# Altium PCB MINI-STM32.PcbDoc (continued)
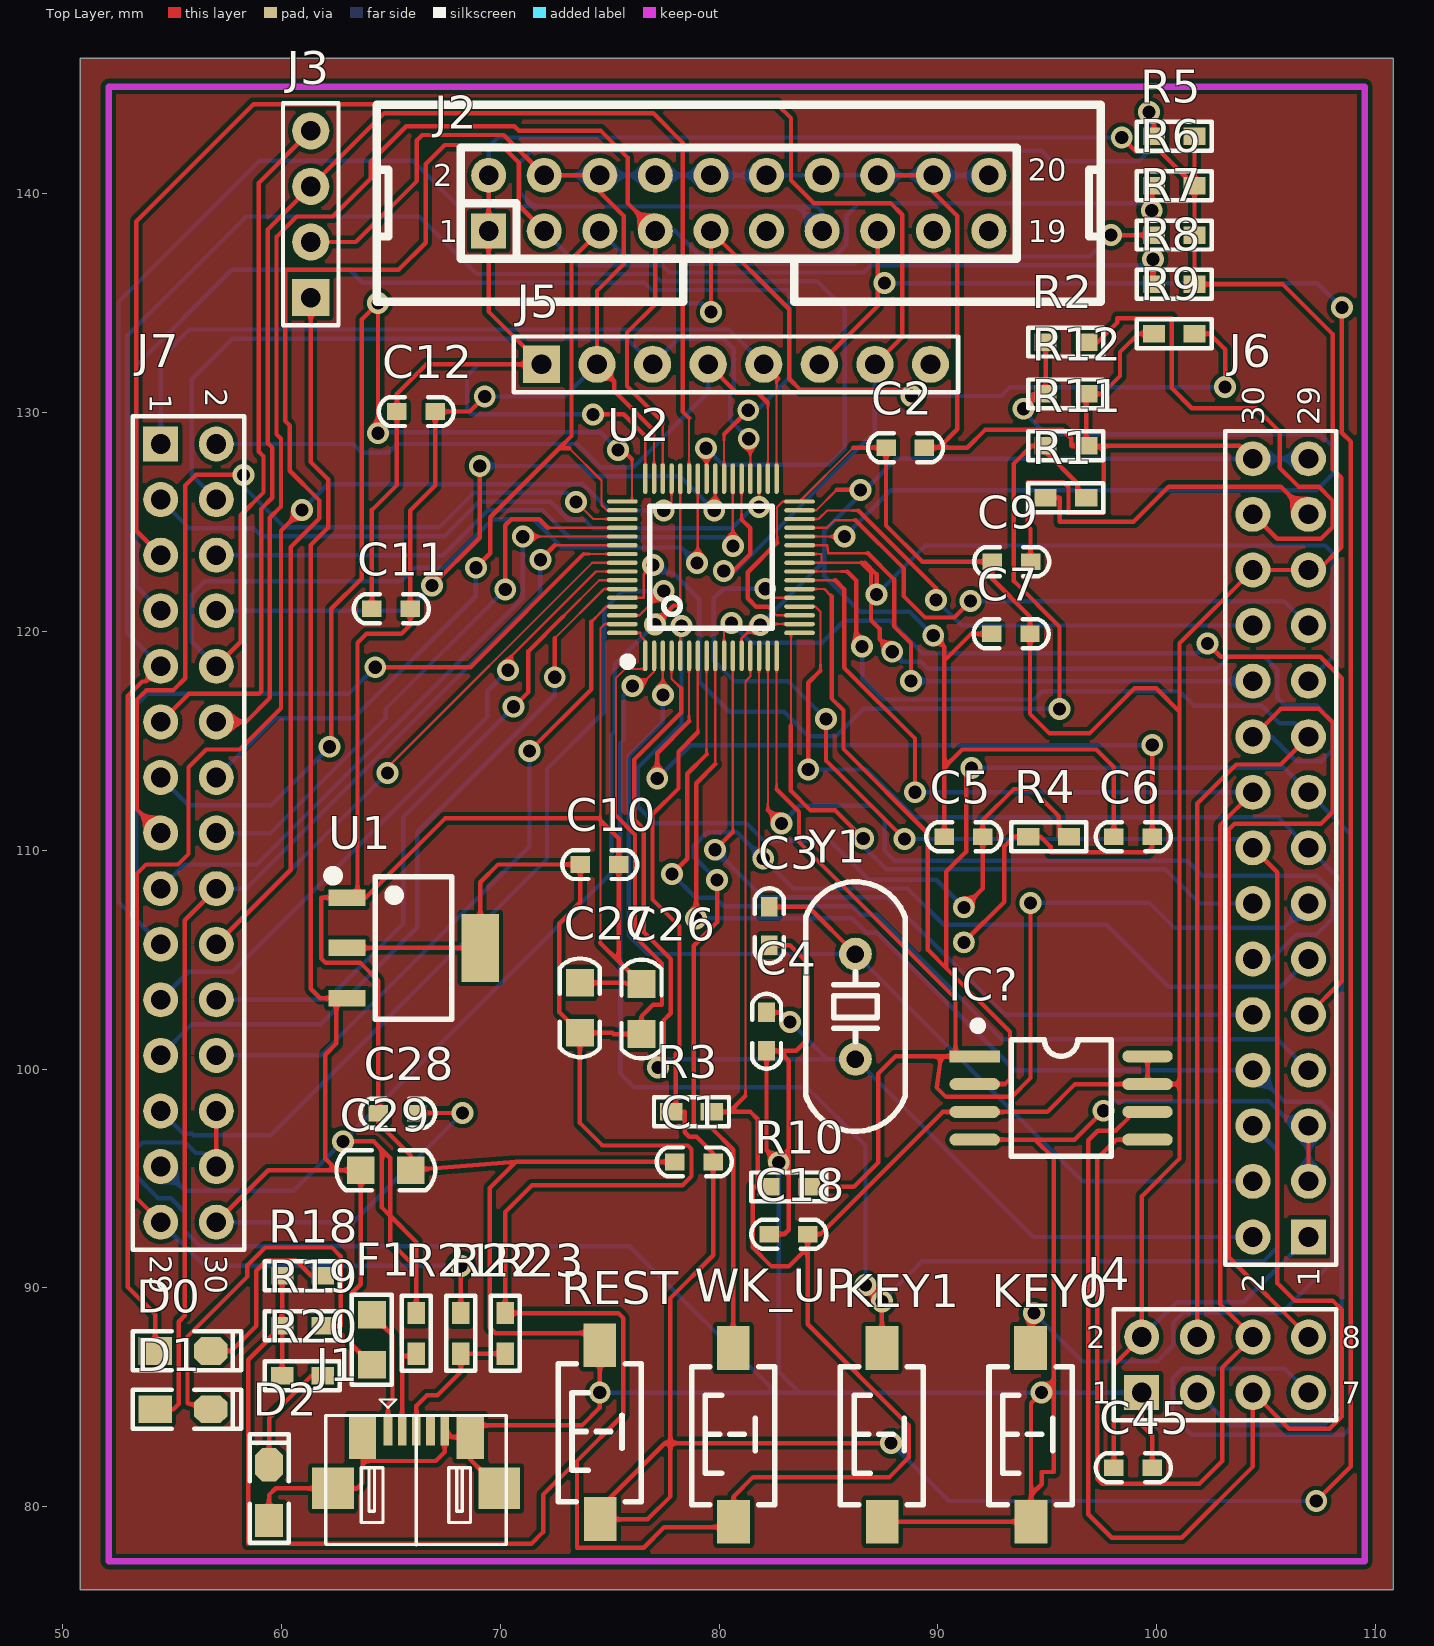
[diagram p0: Top Layer view]
## Part data (continued)

## Via types
v1: diameter 1, hole 0.6, Top Layer to Bottom Layer, 90 vias

## Nets (pads, with @x,y where several pads share a name; then routed paths per layer and width w, separated by ;. In a path a pad name is that pad's centre, name@x,y a point inside that pad or via, vN(x,y) a via of type N, cw(c..) or ccw(c..) an arc to the next point about the centre after c; other vN are vias at no path point)
A0: J5.7 J7.5 U2.37 | length 81.8
  Top Layer w0.1: 81.029,125.117 U2.37
  Top Layer w0.2: J7.5 53.365,124.603 53.365,138.735 58.725,144.094 82.652,144.094 83.287,143.459 83.287,140.614 84.328,139.573 87.833,139.573 88.367,139.04 88.367,133.452 J5.7 ; v1(80.213,122.758) 80.645,122.758 81.432,123.546 81.432,124.714 81.029,125.117
  Bottom Layer w0.2: v1(80.213,122.758) 80.747,122.758 87.122,129.134 J5.7
BOOT0: R1.2 R11.1 U2.60 | length 44.5
  Top Layer w0.1: U2.60 76.556,121.536 76.556,122.606 v1(76.987,123.038)
  Top Layer w0.2: v1(95.555,116.459) 95.555,120.218 93.472,122.301 93.472,127.669 94.285,128.482 R11.1 94.92,128.219 96.386,126.753 96.386,126.111 R1.2
  Bottom Layer w0.2: v1(76.987,123.038) 76.987,122.872 77.927,122.644 79.096,121.475 79.096,117.704 80.467,116.332 82.969,116.332 84.099,115.202 85.331,115.202 86.589,116.459 v1(95.555,116.459)
BOOT1: R2.1 R12.1 U2.28 | length 45.5
  Top Layer w0.1: U2.28 85.039,124.336 85.042,124.333 v1(85.725,124.333)
  Top Layer w0.2: v1(93.904,130.175) 94.361,130.632 94.361,130.852 R12.1 R2.1
  Bottom Layer w0.2: v1(85.725,124.333) 87.841,126.449 107.297,126.449 108.052,127.203 108.052,128.422 107.467,129.007 94.945,129.007 93.904,130.048 v1(93.904,130.175)
CS: J5.5 J7.1 U2.33 | length 38.2
  Top Layer w0.1: U2.33 82.629,131.47
  Top Layer w0.2: J5.5 82.704,131.545 82.629,131.47
  Bottom Layer w0.2: J7.1 54.483,132.486 55.791,133.795 80.454,133.795 J5.5
F_CS: IC?.1 J6.13 R10.2 U2.16 | length 62
  Top Layer w0.1: 82.629,112.786 U2.16
  Top Layer w0.2: 82.629,112.786 83.655,111.76 83.655,110.376 90.805,103.226 IC?.1@90.805,100.584 ; R10.2 86.157,94.615 87.274,95.733 87.274,99.797 88.062,100.584 90.145,100.584 ; IC?.1 IC?.1@90.805,100.584 ; v1(94.234,107.594) 94.234,99.593 93.37,98.73 90.373,98.73 89.941,99.162 90.145,100.584 ; 90.145,100.584 IC?.1@90.805,100.584
  Bottom Layer w0.2: v1(94.234,107.594) 99.67,107.594 100.813,106.451 105.816,106.451 J6.13
GND: C1.1 C2.2 C3.1 C4.1 C5.1 C6.1 C7.1 C9.2 C10.2 C11.2 C12.2 C18.1 C26.2 C27.2 C28.1 C29.2 C45.2 D2.1 IC?.4 J1.5 J2.4 J2.6 J2.8 J2.10 J2.12 J2.14 J2.16 J2.18 J2.20 J3.2 J4.1 J5.2 J6.3 J6.5 J6.29 J6.30 J7.26 J7.28 KEY0.1 KEY1.1 R9.1 R11.2 R12.2 REST.2 U1.1 U2.12 U2.18 U2.31 U2.47 U2.63 | length 467.8
  Top Layer w0.1: 74.574,105.766 74.574,111.379 74.574,120.133 74.778,120.336 U2.63 ; U2.47 77.029,129.168 ; U2.12 81.029,119.679 81.686,120.336 v1@81.883,120.336 ; v1(81.883,120.294) v1@81.883,120.336 ; U2.18 v1@81.883,120.336 ; U2.31 84.439,125.536 85.369,126.467
  Top Layer w0.2: J7.28 J7.26 ; D2.1 59.436,80.536 59.741,80.841 62.357,80.841 63.467,80.841 63.703,81.077 63.703,82.093 ; J3.2 63.398,137.795 66.192,140.589 66.192,142.443 66.437,142.688 70.164,142.688 J2.4 73.795,140.843 75.649,138.989 75.649,136.787 74.422,135.56 J5.2 75.209,131.42 75.209,130.988 77.029,129.168 ; J1.5@63.703,83.178 63.703,82.093 ; v1(69.291,130.734) 68.605,130.048 C12.2 67.031,126.67 65.888,125.527 C11.2 65.888,120.294 65.481,119.888 63.881,119.888 63.475,119.482 U1.1@63.475,107.837 ; J1.5@69.951,80.841 68.631,82.162 J1.5@68.631,83.178 ; C27.2 75.709,103.945 75.768,103.886 C26.2 75.413,104.927 ; 74.574,105.766 75.413,104.927 ; C1.1 70.714,95.758 ; C18.1 82.982,92.456 83.185,92.659 83.185,100.381 82.728,100.838 ; C3.1 83.237,105.664 84.05,104.851 84.05,101.364 83.524,100.838 82.728,100.838 ; v1(82.728,95.733) 82.169,96.291 C4.1 82.728,100.838 ; 85.369,126.467 v1(86.462,126.467) ; J2.16 89.035,140.843 90.889,138.989 90.889,129.235 90.051,128.397 ; KEY1.1 KEY0.1 94.254,80.543 ; C2.2 90.051,128.397 ; v1(89.789,119.812) 90.297,119.304 90.297,118.669 ; C5.1 90.297,113.792 ; IC?.4 94.437,96.774 ; C7.1 91.516,119.888 90.297,118.669 ; C9.2 94.234,124.689 94.107,124.816 94.107,126.822 95.737,126.822 95.966,126.594 95.966,125.411 97.587,125.411 97.587,128.228 97.333,128.482 ; v1(97.562,98.095) 96.241,96.774 94.437,96.774 ; C6.1 98.044,113.792 97.231,114.605 91.11,114.605 90.297,113.792 ; J4.1 99.314,83.744 99.797,83.261 C45.2 ; R9.1 99.162,133.604 98.323,132.766 98.323,131.674 97.502,130.852 R12.2 R11.2 ; J6.30 103.801,128.482 97.333,128.482 ; J6.3 J6.5 ; U1.1@63.475,107.837 U1.1 61.824,107.837 61.824,105.054 62.027,104.851 63.61,104.851 64.423,104.038 C28.1 64.423,97.536 65.913,96.046 C29.2 70.714,95.758 ; U1.1@63.475,107.837 63.856,107.837 67.474,111.455 74.498,111.455 74.574,111.379 75.413,110.541 C10.2 75.413,104.927 ; 63.703,82.093 67.056,82.093 67.462,82.499 67.462,83.508 67.792,83.178 J1.5@68.631,83.178 ; J1.5@68.631,83.178 68.631,83.718 73.736,83.718 74.549,84.531 v1(74.549,85.217) REST.2 74.549,87.935 69.774,87.935 69.52,88.189 69.52,94.564 70.714,95.758 ; 90.051,128.397 91.338,128.397 92.151,129.21 95.707,129.21 96.088,128.829 96.088,128.482 R11.2 ; 90.297,113.792 90.297,118.669 ; 94.254,80.543 94.742,81.031 94.742,81.59 95.301,81.59 95.301,85.776 ; 94.254,80.543 94.254,84.729 v1(94.742,85.217) 95.301,85.776 ; 94.437,96.774 95.301,95.91 95.301,85.776 ; R11.2 97.333,128.482
  Bottom Layer w0.2: J7.28 56.404,96.164 56.082,96.164 55.601,96.646 53.645,96.646 53.365,96.366 53.365,95.098 54.357,94.106 54.939,94.106 55.583,93.461 55.583,92.601 56.286,91.897 75.921,91.897 82.601,85.217 ; v1(69.291,130.734) 72.949,130.734 J5.2 ; J2.4 J2.6 J2.8 J2.10 J2.12 J2.14 J2.16 J2.18 J2.20 ; v1(74.549,85.217) 82.601,85.217 ; v1(81.883,120.294) 84.804,123.216 ; v1(82.728,95.733) 82.728,86.157 83.668,85.217 ; v1(86.462,126.467) v1@86.57,126.359 ; v1(89.789,119.812) 88.709,120.891 86.449,120.891 84.804,122.536 84.804,123.216 ; v1(97.562,98.095) 97.993,98.527 105.131,98.527 106.934,96.723 J6.3 ; J4.1 v1(94.742,85.217) 83.668,85.217 ; J6.29 J6.30 88.1,127.889 v1@86.57,126.359 ; 82.601,85.217 83.668,85.217 ; 84.804,123.216 84.804,124.593 v1@86.57,126.359
JTCK/SWCLK: J2.9 J7.13 R9.2 U2.49 | length 102.2
  Top Layer w0.1: U2.49 76.022,125.936 76.022,127.864
  Top Layer w0.2: v1(62.205,114.732) 62.281,114.808 62.281,121.031 63.678,122.428 63.678,134.264 v1(64.414,135.001) v1(64.414,129.057) ; v1(75.387,128.295) 75.59,128.295 76.022,127.864 ; v1(79.629,134.595) J2.9 83.21,134.722 83.21,131.547 83.718,131.039 88.519,131.039 v1(88.798,130.759) ; R9.2 102.413,133.604 103.124,132.893 v1(103.124,131.166)
  Bottom Layer w0.2: J7.13 55.744,112.065 59.538,112.065 v1(62.205,114.732) ; v1(64.414,129.057) 64.491,128.981 64.618,129.108 74.574,129.108 v1(75.387,128.295) ; v1(64.414,135.001) 79.223,135.001 v1(79.629,134.595) ; v1(88.798,130.759) 92.888,130.759 93.294,131.166 v1(103.124,131.166)
JTDI/PA15: J2.5 J7.14 R7.1 U2.50 | length 65.5
  Top Layer w0.1: 73.152,128.372 74.625,126.898 74.625,125.781 74.87,125.536 U2.50
  Top Layer w0.2: v1(68.885,122.911) 69.545,123.571 69.545,125.222 72.695,128.372 ; 73.152,128.372 72.695,128.372 ; J2.5 73.254,137.008 73.254,128.93 72.695,128.372 ; v1(97.917,138.112) R7.1
  Bottom Layer w0.2: J7.14 59.724,116.027 63.3,116.027 68.885,121.612 v1(68.885,122.911) ; J2.5 75.717,137.135 78.129,137.135 78.461,136.803 86.209,136.803 86.541,137.135 96.939,137.135 v1(97.917,138.112)
JTDO/PB3: J2.13 J7.19 R5.1 U2.55 | length 138.1
  Top Layer w0.1: 73.81,123.536 U2.55
  Top Layer w0.2: v1(64.287,118.364) 68.638,118.364 73.81,123.536 ; v1(99.644,143.739) 99.873,143.739 R5.1
  Bottom Layer w0.2: J7.19 53.365,106.823 ; v1(64.287,118.364) 63.068,117.145 53.873,117.145 53.365,116.637 53.365,106.823 ; v1(99.644,143.739) 99.644,141.961 99.162,141.478 95.225,141.478 94.742,141.961 71.425,141.961 70.891,141.427 70.891,140.056 71.526,139.421 ; 53.365,106.823 52.553,107.636 52.553,135.052 59.004,141.503 66.015,141.503 68.097,139.421 71.526,139.421 ; 71.526,139.421 83.591,139.421 ; 83.591,139.421 J2.13 84.709,139.192 84.48,139.421 83.591,139.421
JTMS/SWDIO: J2.7 J7.12 R6.1 U2.46 | length 86.1
  Top Layer w0.1: U2.46 77.429,129.565
  Top Layer w0.2: J7.12 58.376,115.866 59.471,116.961 59.471,125.196 59.98,125.705 59.98,128.799 59.773,129.007 59.773,138.03 60.706,138.963 62.344,138.963 64.078,140.697 64.078,141.458 65.708,143.088 70.642,143.088 70.842,142.888 74.587,142.888 75.819,141.656 75.819,139.573 J2.7 77.089,134.95 75.794,133.655 75.794,131.201 77.429,129.565 ; v1(99.771,139.243) 99.771,140.367 R6.1
  Bottom Layer w0.2: J2.7 77.996,138.303 79.096,137.203 85.344,137.203 85.809,137.668 85.809,138.989 86.393,139.573 99.441,139.573 v1(99.771,139.243)
JTRST/PB4: J2.3 J7.20 R8.1 U2.56 | length 108.5
  Top Layer w0.1: v1@64.846,113.784 74.199,123.136 U2.56
  Top Layer w0.2: J7.20 60.422,109.105 60.422,123.858 61.735,125.171 61.735,125.984 60.38,127.339 60.38,129.407 60.173,129.614 60.173,136.525 65.354,136.525 66.592,137.763 66.592,141.359 67.462,142.229 70.042,142.229 70.841,141.43 70.841,139.471 J2.3 ; v1(64.846,113.529) v1@64.846,113.784 ; v1(99.822,137.008) 99.822,135.858 R8.1
  Bottom Layer w0.2: J7.20 v1(64.846,113.529) ; J2.3 73.577,136.735 77.397,136.735 77.729,136.403 86.609,136.403 86.941,136.735 99.6,136.735 99.822,136.957 v1(99.822,137.008)
KEY0: J6.8 KEY0.2 U2.9 | length 70.6
  Top Layer w0.1: 79.829,113.943 U2.9
  Top Layer w0.2: v1(78.951,106.888) 78.951,113.065 79.829,113.943 ; KEY0.2 94.234,88.697 v1(94.386,88.849)
  Bottom Layer w0.2: v1(78.951,106.888) 86.075,106.888 86.732,106.23 87.226,106.23 93.508,99.949 J6.8 105.834,98.509 107.485,98.509 108.052,97.942 108.052,91.211 105.697,88.857 101.194,88.857 100.754,88.417 100.754,87.376 100.017,86.639 96.596,86.639 v1(94.386,88.849)
KEY1: J6.6 KEY1.2 U2.2 | length 67.2
  Top Layer w0.1: v1(76.048,117.5) 76.378,117.5 77.029,118.152 U2.2
  Top Layer w0.2: v1(86.69,90.132) v1(87.439,89.383) KEY1.2
  Bottom Layer w0.2: v1(76.048,117.5) 75.635,117.088 75.635,115.043 75.476,114.884 75.476,99.809 76.124,99.162 84.023,99.162 86.69,96.495 v1(86.69,90.132) ; v1(87.439,89.383) 89.268,91.211 104.877,91.211 105.512,91.846 105.512,96.291 J6.6
LED0: D0.1 J7.9 U2.41 | length 99.8
  Top Layer w0.1: v1(79.4,128.372) 79.429,128.343 U2.41
  Top Layer w0.2: D0.1 54.229,88.797 52.983,90.043 52.983,117.052 53.645,117.714 53.792,117.714 J7.9
  Bottom Layer w0.2: J7.9 52.959,119.93 52.959,133.528 58.395,138.963 66.294,138.963 68.923,136.335 76.997,136.335 77.329,136.003 84.469,136.003 85.75,134.722 85.75,128.34 85.034,127.624 80.148,127.624 v1(79.4,128.372)
LED1: D1.1 J7.18 U2.54 | length 51.4
  Top Layer w0.1: 72.492,123.936 U2.54
  Top Layer w0.2: D1.1 55.067,84.455 55.307,84.695 55.307,88.457 55.584,88.734 55.584,106.807 J7.18 ; v1(71.831,123.276) 72.492,123.936
  Bottom Layer w0.2: J7.18 58.385,108.246 71.831,121.692 v1(71.831,123.276)
NetD0_2: D0.2 R18.2 | length 8.6
  Top Layer w0.2: D0.2 57.709,87.122 58.852,88.265 58.852,90.78 59.334,91.262 60.655,91.262 61.366,90.551 R18.2
NetD1_2: D1.2 R19.2 | length 17.3
  Top Layer w0.2: D1.2 55.707,84.734 55.707,87.782 58.445,90.521 58.445,91.034 59.258,91.846 62.306,91.846 62.713,91.44 62.713,88.265 R19.2
NetD2_2: D2.2 R20.2 | length 5.4
  Top Layer w0.2: D2.2 59.436,84.049 61.366,85.979 R20.2
NetF1_2: F1.2 J1.1 | length 5.7
  Top Layer w0.2: F1.2 65.075,87.833 65.075,84.887 64.871,84.683 J1.1
NetJ1_2: J1.2 R21.1 | length 4.1
  Top Layer w0.2: J1.2 65.519,86.893 66.167,86.893 R21.1
NetJ1_3: J1.3 R22.1 R23.1 | length 6.6
  Top Layer w0.2: J1.3 66.167,84.607 66.65,85.09 67.132,85.09 68.199,86.157 R22.1 R23.1
NetJ6_27: J6.27 R1.1 | length 14.3
  Top Layer w0.2: R1.1 95.566,126.111 95.566,125.011 98.939,125.011 100.547,126.619 105.664,126.619 J6.27
NetJ6_28: J6.28 R2.2 | length 23.7
  Top Layer w0.2: R2.2 97.307,133.223 98.196,134.112 98.196,134.315 100.681,134.315 100.681,131.12 101.6,130.2 104.546,130.2 105.613,129.134 105.613,127.483 106.477,126.619 107.399,126.619 108.034,125.984 108.034,124.765 107.501,124.231 105.512,124.231 J6.28
NRF_CE: J4.3 J6.15 U2.20 | length 66.6
  Top Layer w0.1: U2.20 84.401,121.136 84.633,120.904 84.633,118.212
  Top Layer w0.2: v1(84.074,113.69) 84.074,117.653 84.633,118.212
  Bottom Layer w0.2: v1(84.074,113.69) 86.741,113.69 88.925,111.506 105.537,111.506 J6.15 108.458,108.585 108.458,84.531 107.644,83.717 103.354,83.717 J4.3
NRF_CS: J4.4 J6.19 U2.24 | length 59.9
  Top Layer w0.1: U2.24 85.855,122.736
  Top Layer w0.2: 85.855,122.736 86.265,122.326 86.265,119.577 v1(86.538,119.304) ; J4.4 101.854,112.141 103.632,113.919 105.664,113.919 J6.19
  Bottom Layer w0.2: v1(86.538,119.304) 86.538,117.856 87.503,116.891 94.386,116.891 94.767,117.272 101.041,117.272 101.702,116.611 104.8,116.611 105.613,115.799 106.324,115.799 J6.19
NRF_IRQ: J4.8 J6.20 U2.25 | length 74.1
  Top Layer w0.1: U2.25 86.506,123.136
  Top Layer w0.2: 86.506,123.136 86.944,122.697 86.944,120.51 87.338,120.117 87.338,119.647 v1(87.916,119.069) ; J6.20 105.664,116.459 107.417,116.459 108.052,115.824 108.052,111.76 107.501,111.209 103.556,111.209 103.294,110.947 103.294,91.397 J4.8
  Bottom Layer w0.2: v1(87.916,119.069) 88.379,118.606 89.242,118.606 89.56,118.288 102.743,118.288 103.302,118.847 104.927,118.847 105.512,118.262 105.512,116.959 105.842,116.629 107.29,116.629 108.052,115.867 108.052,114.605 107.518,114.071 106.375,114.071 105.258,115.189 J6.20
OSC_IN1: C3.2 J6.4 U2.3 Y1.2 | length 51.4
  Top Layer w0.1: v1(77.429,117.094) U2.3
  Top Layer w0.2: C3.2 84.073,107.417 Y1.2
  Bottom Layer w0.2: v1(77.429,117.094) 77.429,115.866 75.876,114.313 75.876,106.115 76.734,105.257 Y1.2 96.621,94.869 J6.4
OSC_IN2: C5.2 R4.2 U2.5 Y2.1 | length 37.6
  Top Layer w0.1: U2.5 78.229,120.19 v1(78.283,120.244)
  Top Layer w0.2: Y2.1 92.05,108.255 C5.2 92.05,111.379 93.472,112.801 94.285,112.801 95.529,111.557 95.529,110.615 R4.2
  Bottom Layer w0.2: v1(78.283,120.244) 78.283,115.768 76.276,113.761 76.276,112.014 77.058,111.232 81.249,111.232 82.055,110.427 85.077,110.427 86.849,108.655 89.922,108.655 Y2.1
OSC_OUT1: C4.2 J6.2 U2.4 Y1.1 | length 55.2
  Top Layer w0.1: U2.4 77.829,117.844 78.27,117.403
  Top Layer w0.2: v1(77.216,100.076) 77.464,100.324 77.464,102.226 77.789,102.551 77.789,105.027 76.557,106.259 76.557,110.971 76.124,111.404 76.124,114.148 78.27,116.294 78.27,117.403 ; C4.2 82.804,102.591 v1(83.236,102.159)
  Bottom Layer w0.2: v1(77.216,100.076) 77.597,100.457 84.938,100.457 ; v1(83.236,102.159) 84.938,100.457 ; J6.2 94.361,92.329 Y1.1 84.938,100.457
OSC_OUT2: C6.2 R4.1 U2.6 Y2.2 | length 46.8
  Top Layer w0.1: 78.629,115.894 U2.6
  Top Layer w0.2: v1(77.173,113.284) 77.173,114.438 78.629,115.894 ; Y2.2 93.04,107.645 93.04,110.184 93.472,110.615 R4.1 94.691,110.615 95.148,110.158 95.148,109.906 99.568,109.906 99.797,110.134 C6.2 v1(99.797,114.802)
  Bottom Layer w0.2: v1(77.173,113.284) 78.691,114.802 v1(99.797,114.802)
PA0: J6.11 U2.14 WK_UP.2 | length 66.1
  Top Layer w0.1: U2.14 81.829,109.814 v1(82.017,109.626)
  Top Layer w0.2: v1(79.908,108.636) 79.908,106.705 78.842,105.639 78.842,97.511 79.045,97.307 79.654,97.307 80.645,96.317 WK_UP.2
  Bottom Layer w0.2: v1(79.908,108.636) 78.842,109.703 78.842,110.211 79.453,110.822 80.821,110.822 v1(82.017,109.626) 83.388,108.255 88.608,108.255 90.272,106.591 97.701,106.591 100.533,103.759 105.664,103.759 J6.11
PA1: J6.12 U2.15 | length 41.6
  Top Layer w0.1: 82.229,111.852 U2.15
  Top Layer w0.2: 82.229,111.852 v1(82.855,111.227)
  Bottom Layer w0.2: v1(82.855,111.227) 83.668,112.039 86.97,112.039 87.579,111.43 87.579,109.957 88.011,109.525 101.397,109.525 102.083,108.839 107.297,108.839 108.034,108.102 108.034,106.883 107.297,106.147 106.375,106.147 105.258,105.029 J6.12
PA3: J6.14 U2.17 | length 31.1
  Top Layer w0.1: 83.286,115.708 83.286,119.936 U2.17
  Top Layer w0.2: 83.286,115.708 83.274,115.696 83.274,112.726 84.18,111.82 85.31,111.82 v1(86.589,110.541)
  Bottom Layer w0.2: v1(86.589,110.541) 86.589,110.185 87.649,109.125 100.4,109.125 101.956,107.569 J6.14
PA5: IC?.6 J4.5 J6.16 U2.21 | length 103.3
  Top Layer w0.1: v1(82.108,121.95) 82.522,121.536 U2.21
  Top Layer w0.2: v1(84.887,116.002) 84.887,114.097 v1(88.468,110.515) ; IC?.6 98.704,98.044 98.704,97.765 98.12,97.18 97.307,97.18 96.876,96.749 96.876,79.654 97.942,78.588 101.143,78.588 104.394,81.839 J4.5 106.045,83.566 107.899,83.566 108.458,84.125 108.458,89.002 108.052,89.408 106.324,89.408 105.512,90.221 105.512,108.991 J6.16
  Bottom Layer w0.2: v1(82.108,121.95) 80.189,121.95 79.752,121.514 79.752,118.669 80.704,117.717 83.171,117.717 v1(84.887,116.002) ; v1(88.468,110.515) 103.988,110.515 J6.16
PA6: IC?.2 J4.7 J6.17 U2.22 | length 101.2
  Top Layer w0.1: U2.22 84.816,121.936 85.141,121.612
  Top Layer w0.2: 85.141,121.612 85.141,116.94 85.687,116.394 85.687,114.631 89.535,110.783 89.535,105.461 90.373,104.623 ; v1(91.542,113.767) 91.288,113.513 91.288,109.931 90.373,109.017 90.373,104.623 ; IC?.2 93.066,99.314 93.294,99.542 93.294,101.702 90.373,104.623
  Bottom Layer w0.2: v1(91.542,113.767) 105.816,113.767 J6.17 108.864,110.719 108.864,83.617 108.534,83.287 101.6,83.287 100.736,84.15 100.736,85.86 101.194,86.317 105.834,86.317 J4.7
PA7: IC?.5 J4.6 J6.18 U2.23 | length 84.2
  Top Layer w0.1: U2.23 85.309,122.336
  Top Layer w0.2: 85.309,122.336 85.725,121.92 85.725,118.333 88.951,115.107 v1(88.951,112.649) ; IC?.5 98.145,96.774 97.282,95.91 97.282,81.28 97.511,81.051 101.956,81.051 102.997,82.093 102.997,86.36 J4.6 102.894,89.257 102.894,111.149 J6.18
  Bottom Layer w0.2: v1(88.951,112.649) J6.18
PA9: J3.4 J7.10 U2.42 | length 59.4
  Top Layer w0.1: v1@79.029,123.158 U2.42
  Top Layer w0.2: J7.10 58.141,119.523 58.141,125.313 59.18,126.353 59.18,127.999 58.973,128.207 58.973,140.507 J3.4 ; v1(78.994,123.123) v1@79.029,123.158
  Bottom Layer w0.2: J7.10 55.905,119.523 55.905,121.691 56.5,122.286 65.458,122.286 66.084,122.912 67.43,122.912 69.648,125.129 71.526,125.129 72.818,123.838 78.28,123.838 v1(78.994,123.123)
PA10: J3.3 J7.11 U2.43 | length 63.8
  Top Layer w0.1: U2.43 78.629,129.753
  Top Layer w0.2: J7.11 55.762,117.145 58.966,117.145 59.071,117.25 59.071,125.595 59.58,126.104 59.58,128.399 59.373,128.607 59.373,138.367 J3.3 64.694,143.688 76.988,143.688 78.334,142.342 78.334,130.048 78.629,129.753
PA11: J7.27 R21.2 U2.44 | length 62.7
  Top Layer w0.1: 78.229,121.183 U2.44
  Top Layer w0.2: v1(62.814,96.698) 64.211,96.698 64.592,96.317 ; R21.2 66.167,90.907 ; v1(77.064,120.32) 77.927,121.183 78.229,121.183 ; 64.592,96.317 64.592,93.675 64.973,93.294 ; 64.592,96.317 64.973,95.936 64.973,93.294 ; 64.973,93.294 66.167,92.1 66.167,90.907 ; 64.973,93.294 64.973,92.1 66.167,90.907
  Bottom Layer w0.2: J7.27 55.592,94.437 60.554,94.437 v1(62.814,96.698) 75.076,108.96 75.076,115.271 75.235,115.43 75.235,118.491 v1(77.064,120.32)
PA12: J7.29 R22.2 U2.45 | length 73.7
  Top Layer w0.1: v1(77.47,125.527) 77.829,125.886 U2.45
  Top Layer w0.2: J7.29 53.383,94.106 53.383,108.915 53.815,109.347 55.27,109.347 55.753,109.83 55.753,113.792 56.566,114.605 58.093,114.605 59.978,116.49 59.978,124.596 v1(60.935,125.552) ; R22.2 v1(68.199,91.008)
  Bottom Layer w0.2: J7.29 56.481,91.008 v1(68.199,91.008) ; v1(60.935,125.552) 62.112,126.729 73.787,126.729 74.99,125.527 v1(77.47,125.527)
PB0: J6.21 U2.26 | length 33.3
  Top Layer w0.1: U2.26 84.684,123.536 84.684,123.139 86.665,123.139
  Top Layer w0.2: 86.665,123.139 87.198,122.606 v1(87.198,121.691)
  Bottom Layer w0.2: v1(87.198,121.691) 89.433,123.927 107.696,123.927 108.052,123.571 108.052,118.847 J6.21
PB1: J6.22 U2.27 | length 25.7
  Top Layer w0.1: U2.27 84.94,123.936 84.988,123.571 86.804,123.571
  Top Layer w0.2: 86.804,123.571 87.998,122.377 87.998,120.231 88.773,119.456 v1(88.773,117.729)
  Bottom Layer w0.2: v1(88.773,117.729) J6.22
PB5: J7.21 U2.57 | length 30.2
  Top Layer w0.1: v1@70.358,118.72 74.374,122.736 U2.57
  Top Layer w0.2: v1(70.358,118.224) v1@70.358,118.72
  Bottom Layer w0.2: J7.21 55.762,104.445 57.76,104.445 69.406,116.091 69.406,117.272 v1(70.358,118.224)
PB6: J7.22 U2.58 | length 30.4
  Top Layer w0.1: 72.848,120.66 74.524,122.336 U2.58
  Top Layer w0.2: v1(70.612,116.561) 71.285,117.234 71.285,119.098 72.848,120.66
  Bottom Layer w0.2: J7.22 62.093,103.166 65.562,106.635 65.562,111.51 v1(70.612,116.561)
PB7: J7.23 U2.59 | length 34
  Top Layer w0.1: 72.492,119.685 74.743,121.936 U2.59
  Top Layer w0.2: v1(72.492,117.907) 72.492,119.685
  Bottom Layer w0.2: J7.23 55.914,102.057 61.793,102.057 66.212,106.477 66.212,110.828 72.492,117.107 v1(72.492,117.907)
PB8: J7.24 U2.61 | length 31.4
  Top Layer w0.1: 74.166,120.445 74.857,121.136 U2.61
  Top Layer w0.2: v1(71.336,114.532) 74.166,117.362 74.166,120.445
  Bottom Layer w0.2: J7.24 61.784,100.626 71.336,110.178 v1(71.336,114.532)
PB9: J7.25 U2.62 | length 41.2
  Top Layer w0.1: U2.62 76.362,120.736 v1(77.47,121.844)
  Bottom Layer w0.2: J7.25 55.523,97.046 55.914,97.046 55.983,96.977 59.512,96.977 72.136,109.601 72.136,113.716 74.752,116.332 74.752,121.006 75.59,121.844 v1(77.47,121.844)
PB10: J6.23 U2.29 | length 26.8
  Top Layer w0.1: U2.29 84.93,124.736 85.277,125.083 86.238,125.083
  Top Layer w0.2: 86.238,125.083 88.445,122.876 88.445,121.6 89.408,120.637 90.742,120.637 v1(91.491,121.387)
  Bottom Layer w0.2: v1(91.491,121.387) 105.816,121.387 J6.23
PB11: J6.24 U2.30 | length 23.4
  Top Layer w0.1: U2.30 84.547,125.136 84.938,125.527 86.36,125.527
  Top Layer w0.2: 86.36,125.527 89.916,121.971 v1(89.916,121.437)
  Bottom Layer w0.2: v1(89.916,121.437) 91.084,120.269 J6.24
PB13: J5.4 J7.2 U2.34 | length 32.9
  Top Layer w0.1: U2.34 82.229,130.454
  Top Layer w0.2: J5.4 80.797,130.912 81.772,130.912 82.229,130.454
  Bottom Layer w0.2: J7.2 63.279,128.566 63.678,128.167 64.879,128.167 65.278,128.566 73.517,128.566 74.587,127.495 76.073,127.495 79.502,130.924 J5.4
PB14: J7.3 U2.35 | length 30.9
  Top Layer w0.1: v1(81.829,125.679) U2.35
  Bottom Layer w0.2: J7.3 55.801,124.707 58.739,124.707 59.094,124.352 67.457,124.352 69.034,125.929 72.305,125.929 73.111,125.123 73.822,125.123 74.238,124.707 80.579,124.707 81.551,125.679 v1(81.829,125.679)
PB15: J5.3 J7.4 U2.36 | length 39
  Top Layer w0.1: U2.36 v1@81.429,128.731
  Top Layer w0.2: v1(81.356,128.803) v1@81.429,128.731
  Bottom Layer w0.2: J7.4 55.905,127.143 55.905,131.521 57.76,133.375 75.794,133.375 J5.3 78.13,133.375 80.188,133.375 80.67,132.893 80.67,131.064 80.518,130.912 80.518,129.642 v1(81.356,128.803)
PC0: J6.7 U2.8 | length 43.4
  Top Layer w0.1: 79.429,114.379 U2.8
  Top Layer w0.2: v1(77.849,108.92) 78.543,109.614 78.543,113.493 79.429,114.379
  Bottom Layer w0.2: v1(77.849,108.92) 78.934,107.834 79.816,107.834 80.213,107.437 86.111,107.437 86.487,107.061 87.214,107.061 92.904,101.371 105.512,101.371 J6.7
PC2: J6.9 U2.10 | length 47.8
  Top Layer w0.1: U2.10 80.229,120.037 v1(80.569,120.377)
  Top Layer w0.2: v1(102.311,119.456) 102.921,118.847 107.467,118.847 108.458,117.856 108.458,104.013 J6.9
  Bottom Layer w0.2: v1(80.569,120.377) 81.464,119.482 84.709,119.482 85.719,120.491 87.814,120.491 89.299,119.006 101.861,119.006 v1(102.311,119.456)
PC3: J6.10 U2.11 | length 36.9
  Top Layer w0.1: 80.629,110.835 U2.11
  Top Layer w0.2: v1(79.816,110.022) 80.629,110.835
  Bottom Layer w0.2: v1(79.816,110.022) 81.984,107.855 87.695,107.855 93.061,102.489 J6.10
PC7: J7.6 U2.38 | length 28.2
  Top Layer w0.1: v1(80.629,123.908) U2.38
  Bottom Layer w0.2: J7.6 67.39,123.486 69.434,125.529 71.933,125.529 73.155,124.307 80.23,124.307 v1(80.629,123.908)
PC8: J7.7 U2.39 | length 53.7
  Top Layer w0.1: U2.39 80.229,129.007
  Top Layer w0.2: 80.229,129.007 v1(81.331,130.108)
  Bottom Layer w0.2: J7.7 53.365,122.063 53.365,132.156 57.734,136.525 63.119,136.525 63.709,135.935 76.597,135.935 76.929,135.603 83.116,135.603 83.21,135.509 83.21,131.582 81.737,130.108 v1(81.331,130.108)
PC9: J7.8 U2.40 | length 29.7
  Top Layer w0.1: v1@79.829,125.574 U2.40
  Top Layer w0.2: v1(66.878,122.098) 69.063,124.282 v1(69.063,127.559) ; v1(79.781,125.527) v1@79.829,125.574
  Bottom Layer w0.2: J7.8 65.726,120.946 v1(66.878,122.098) ; v1(69.063,127.559) 73.724,127.559 74.187,127.095 78.213,127.095 v1(79.781,125.527)
PC10: J7.15 U2.51 | length 40.6
  Top Layer w0.1: v1(73.457,125.923) 74.244,125.136 U2.51
  Top Layer w0.2: J7.15 53.383,111.886 53.383,116.865 53.823,117.306 55.05,117.306 55.601,117.856 55.601,126.67 56.083,127.152 v1(58.268,127.152)
  Bottom Layer w0.2: v1(58.268,127.152) 58.268,126.627 60.142,124.752 67.196,124.752 68.773,126.329 73.05,126.329 v1(73.457,125.923)
PC11: J7.16 U2.52 | length 26.6
  Top Layer w0.1: 72.175,124.736 U2.52
  Top Layer w0.2: v1(70.231,121.92) 70.231,124.85 70.51,125.129 71.781,125.129 72.175,124.736
  Bottom Layer w0.2: J7.16 59.503,110.786 64.762,116.044 64.762,116.451 v1(70.231,121.92)
PC12: J7.17 U2.53 | length 29.4
  Top Layer w0.1: v1@71.038,124.336 U2.53
  Top Layer w0.2: v1(71.031,124.329) v1@71.038,124.336
  Bottom Layer w0.2: J7.17 55.584,109.347 58.86,109.347 71.031,121.518 v1(71.031,124.329)
RESET: C1.2 J2.15 J5.6 R3.1 REST.1 U2.7 | length 165.6
  Top Layer w0.1: 79.029,115.388 U2.7
  Top Layer w0.2: R3.1 R3.1@78.016,98.044 ; 79.029,115.388 78.143,114.502 78.143,112.827 76.957,111.641 76.957,107.752 78.189,106.52 78.189,100.876 78.016,100.703 R3.1@78.016,98.044 ; J5.6 87.249,134.874 v1@87.249,136.22 ; J2.15 v1@87.249,136.22 ; v1(87.554,135.915) v1@87.249,136.22 ; v1(87.859,82.906) 77.775,82.906 ; v1(107.29,80.264) 108.864,81.839 108.864,128.676 108.458,129.083 v1(108.458,134.798) ; 77.775,82.906 77.775,80.467 76.733,79.426 74.569,79.426 REST.1 74.569,79.959 77.515,82.906 77.775,82.906 ; 77.775,82.906 77.775,89.535 79.731,91.491 C1.2 79.731,96.145 78.969,96.907 78.638,96.907 78.435,97.111 78.435,98.044 R3.1@78.016,98.044
  Bottom Layer w0.2: v1(87.554,135.915) 107.34,135.915 v1(108.458,134.798) ; v1(87.859,82.906) 90.5,80.264 v1(107.29,80.264)
VCC3.3: C2.1 C7.2 C9.1 C10.1 C11.1 C12.1 C18.2 C26.1 C27.1 C45.1 IC?.3 IC?.7 IC?.8 J2.1 J2.2 J4.2 J5.1 J6.1 J6.25 J6.26 R3.2 R5.2 R6.2 R7.2 R8.2 R10.1 R18.1 R19.1 R20.1 R23.2 U1.2 U2.1 U2.13 U2.19 U2.32 U2.48 U2.64 WK_UP.1 | length 406.1
  Top Layer w0.1: 75.285,111.583 75.285,117.856 75.717,118.288 76.629,118.288 U2.1 76.629,119.57 76.403,119.796 76.403,119.936 U2.64 ; U2.48 76.629,128.933 ; 81.204,98.781 81.204,117.713 81.429,117.938 U2.13 ; 82.23,121.133 82.626,120.736 U2.19 ; 82.652,124.054 82.652,125.682 82.906,125.936 U2.32 86.138,128.397
  Top Layer w0.2: R20.1 R19.1 ; R18.1 R19.1 ; U1.2@62.992,105.537 69.088,105.537 69.088,108.534 69.901,109.347 C10.1 73.66,107.62 72.695,106.655 72.695,102.604 C27.1 ; C11.1 64.135,125.552 65.278,126.695 C12.1 65.278,130.861 66.624,132.207 J5.1 69.469,134.62 J2.1 J2.2 ; v1(74.244,129.921) 75.641,129.921 76.629,128.933 ; 75.285,111.583 76.157,110.711 76.157,106.058 77.389,104.826 77.389,102.946 76.987,102.946 76.454,102.413 C26.1 75.178,101.6 75.119,101.659 C27.1 ; R3.2 80.467,98.044 ; 81.204,98.781 80.467,98.044 ; 82.23,121.133 81.686,121.133 81.305,121.514 81.305,122.707 82.652,124.054 ; R10.1 R10.1@81.769,94.615 ; 86.138,128.397 C2.1 87.63,124.841 89.281,123.19 C9.1 92.481,122.403 94.209,120.675 C7.2 94.209,116.23 95.098,115.341 96.926,115.341 98.984,117.399 99.974,117.399 101.041,116.332 ; C45.1 98.044,86.487 J4.2 99.314,94.183 101.041,95.91 101.041,99.314 ; v1(98.4,142.57) 99.06,141.91 100.184,141.91 R6.2 ; IC?.8 IC?.7 ; R5.2 R6.2 ; R19.1 58.483,86.716 58.483,78.308 71.425,78.308 71.958,78.842 71.958,80.543 73.508,82.093 ; 73.508,82.093 73.508,78.13 76.556,78.13 77.495,79.07 80.665,79.07 WK_UP.1 80.665,80.467 81.554,81.356 87.782,81.356 88.671,82.245 88.671,83.718 84.049,88.341 84.049,91.846 ; 73.508,82.093 75.616,84.201 75.616,88.621 75.387,88.849 R23.2 70.231,93.472 71.45,94.691 78.334,94.691 78.74,95.098 78.74,96.342 78.575,96.507 74.669,96.507 73.64,97.536 C27.1 ; 80.467,98.044 81.432,98.044 81.769,97.707 R10.1@81.769,94.615 ; R10.1@81.769,94.615 81.534,94.615 81.534,91.846 82.398,90.983 83.185,90.983 84.049,91.846 ; 84.049,91.846 C18.2 84.633,92.456 90.221,98.044 IC?.3 94.996,98.044 96.266,99.314 IC?.7 ; IC?.7 101.041,99.314 ; 101.041,99.314 101.041,116.332 ; 101.041,116.332 101.041,119.456 J6.26 J6.25 107.394,122.809 108.434,123.849 108.434,127.019 108.052,127.401 108.052,133.572 105.766,135.858 R8.2 R7.2 R6.2
  Bottom Layer w0.2: J2.2 69.469,142.138 69.901,142.57 v1(98.4,142.57) ; J5.1 69.012,132.207 68.478,131.674 68.478,130.124 68.682,129.921 v1(74.244,129.921) ; J4.2 100.904,89.347 103.952,89.347 J6.1 ; J6.26 J6.25
VCC5: C28.2 C29.1 F1.1 J3.1 J7.30 U1.3 | length 74.8
  Top Layer w0.2: J7.30 59.394,95.377 62.535,95.377 ; J3.1 61.341,127.743 62.135,126.949 62.135,124.741 61.341,123.948 61.341,103.669 61.773,103.237 U1.3@62.509,103.237 ; U1.3 U1.3@62.509,103.237 ; F1.1 63.195,87.427 63.195,89.738 63.627,90.17 C29.1 62.535,95.377 ; C28.2 66.176,97.993 v1(68.275,97.993) ; U1.3@62.509,103.237 62.509,101.168 62.001,100.66 62.001,95.91 62.535,95.377
  Bottom Layer w0.2: J7.30 63.288,93.006 v1(68.275,97.993)
pads on no net: J1.4 J2.11 J2.17 J2.19 J5.8

## Polygon pours and split planes (outlines as drawn)
no net on Top Layer "Top Layer-No Net" (solid, pour order 4): 50.8,146.177 50.8,76.2 110.744,76.2 110.744,146.177
no net on Bottom Layer "Top Layer-No Net" (solid, pour order 6): 50.8,146.177 50.8,76.2 110.744,76.2 110.744,146.177

## Keep-outs
Keep-Out Layer:
  lines w0.3: 52.1,77.5 52.1,144.9 109.5,144.9 109.5,77.5 52.1,77.5

## Dimensions
52.1,77.5 to 52.1,144.9 on Mechanical 1
52.1,77.5 to 109.5,77.5 on Mechanical 1

## Text inside footprints (layer, text, board x,y; h text height)
J2: Top Overlay "19" at 94.107,137.795 h1.02; Top Overlay "20" at 94.107,140.589 h1.02; Top Overlay "1" at 67.183,137.795 h1.02; Top Overlay "2" at 66.929,140.335 h1.02
J4: Top Overlay "7" at 108.458,84.709 h1.02; Top Overlay "2" at 96.774,87.249 h1.02; Top Overlay "1" at 97.028,84.709 h1.02; Top Overlay "8" at 108.458,87.249 h1.02
J6: Top Overlay "1" at 107.442,90.043 h1.02 r90; Top Overlay "2" at 104.902,89.789 h1.02 r90; Top Overlay "29" at 107.442,129.413 h1.02 r90; Top Overlay "30" at 104.902,129.413 h1.02 r90
J7: Top Overlay "1" at 53.975,130.852 h1.02 r270; Top Overlay "2" at 56.515,131.106 h1.02 r270; Top Overlay "29" at 53.975,91.482 h1.02 r270; Top Overlay "30" at 56.515,91.482 h1.02 r270